# Altium PCB board_layout.pcbdoc (part 1 of 3) (continued)
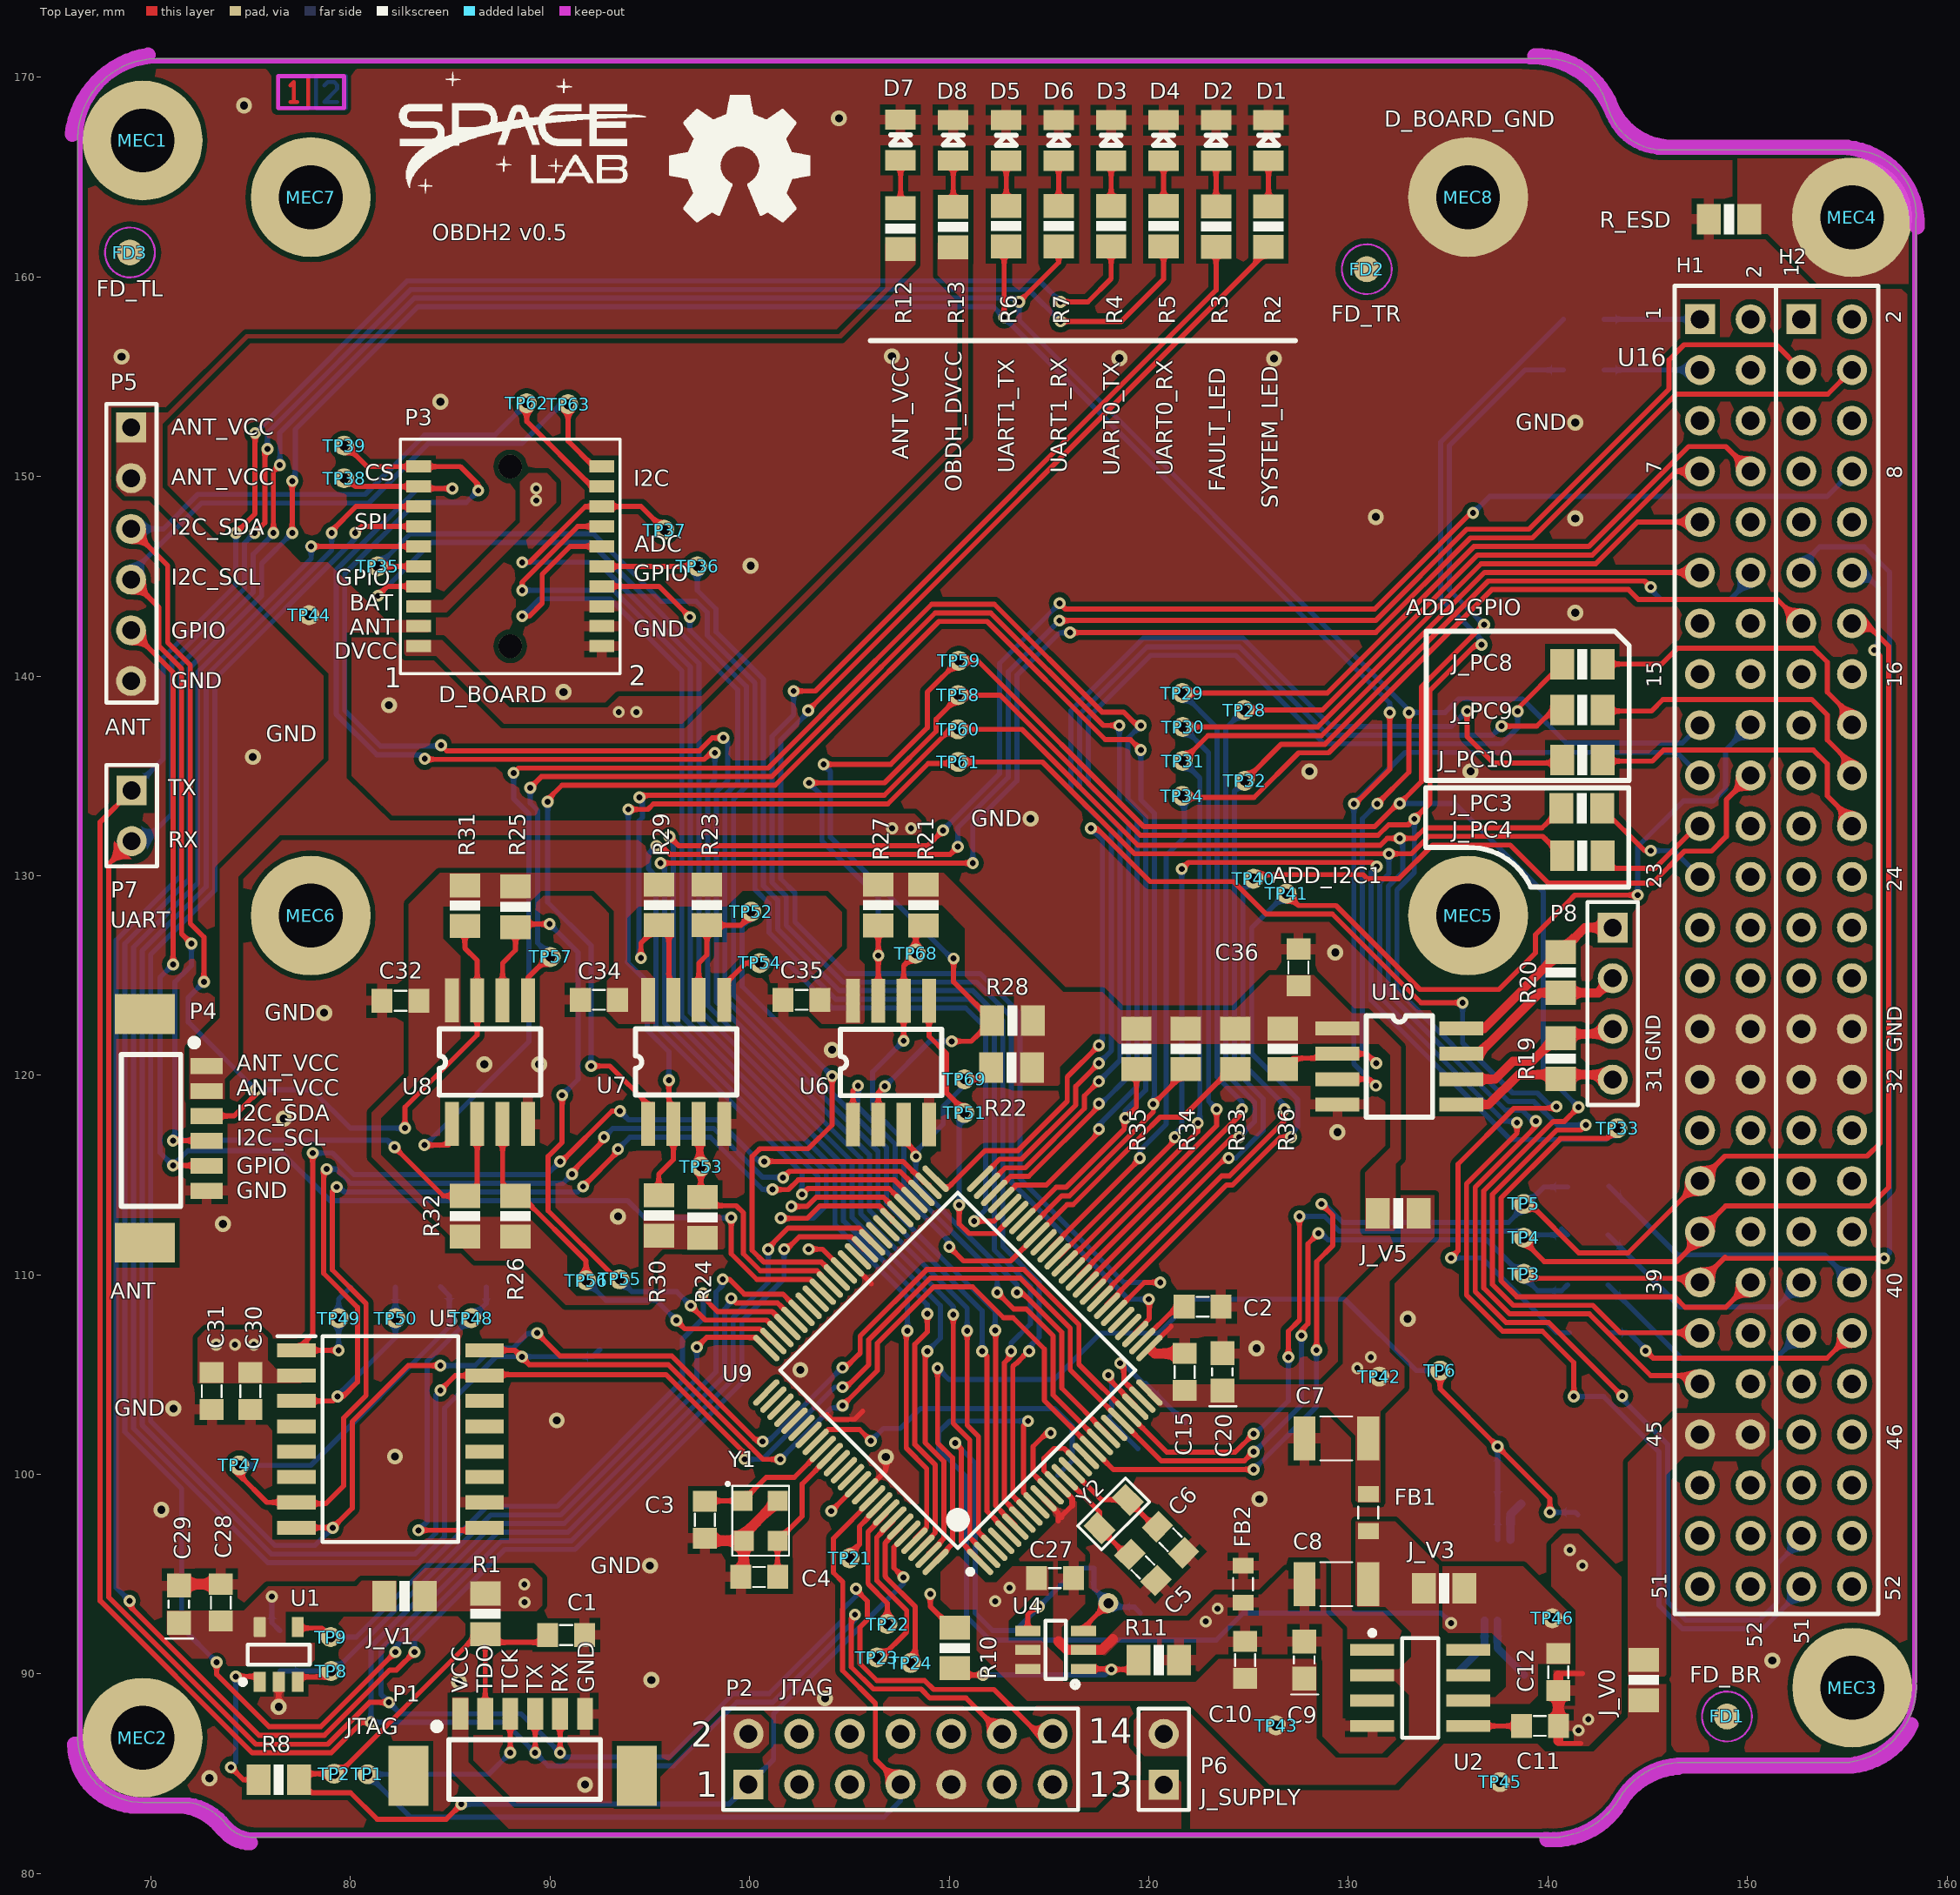
[diagram p0: Top Layer view]
## Components (designator, comment, footprint, x,y, rotation, side; value= is the part's Value field where it differs from the comment) (continued)
J_PC10 "0R" 0805 141.725,135.8 r180 top
J_PC11 "0R" 0805 142.1,107.1 r180 bottom
J_V0 "0R" 0805 144.8,89.7 r270 top
J_V1 "0R" 0805 82.7,93.9 r0 top
J_V2 "0R" 0805 135,101.2 r90 bottom
J_V3 "0R" 0805 134.8,94.3 r180 top
J_V4 "0R" 0805 93.5,111.416 r0 bottom
J_V5 "0R" 0805 132.499,113.075 r0 top
MEC1 "M3" "M3 hole" 69.579,166.838 r0 top
MEC2 "M3" "M3 hole" 69.579,86.813 r0 top
MEC3 "M3" "M3 hole" 155.254,89.313 r0 top
MEC4 "M3" "M3 hole" 155.245,162.992 r0 top
MEC5 "M3" "M3 hole" 136,128 r0 top
MEC6 "M3" "M3 hole" 78,128 r0 top
MEC7 "M3" "M3 hole" 78,164 r0 top
MEC8 "M3" "M3 hole" 136,164 r0 top
P1 "6H_PicoBlade" "HDR6 PicoBlade" 85.5,88 r0 top
P2 "Header 7x2" HDR2X7 99.94,84.46 r0 top
P3 "FSI-110-03-X-D-AD" FSI-110-03-X-D-AD 88,146 r90 top
P4 "6H_PicoBlade" "HDR6 PicoBlade" 72.788,120.46 r270 top
P5 "Header 6H" HDR1X6H 69,152.455 r270 top
P6 "Header 2H" "HDR 1X2" 120.75,85.728 r90 top
P7 "Header 2H" "HDR 1X2" 69.032,133 r270 top
P8 "Header 4H" HDR1X4 143.25,127.4 r270 top
R1 "47k" 0805 86.751,93.015 r90 top
R2 "330R" 0805 126,162.526 r90 top
R3 "330R" 0805 123.371,162.526 r90 top
R4 "330R" 0805 118.114,162.548 r90 top
R5 "330R" 0805 120.743,162.548 r90 top
R6 "330R" 0805 112.857,162.548 r90 top
R7 "330R" 0805 115.486,162.548 r90 top
R8 "10k" 0805 76.4,84.7 r0 top
R9 "12K" 0805 138.481,99.9 r180 bottom
R10 "47k" 0805 110.275,91.3 r90 top
R11 "47k" 0805 120.5,90.705 r180 top
R12 "DNP" 0805 107.56,162.423 r270 top
R13 "DNP" 0805 110.2,162.506 r270 top
R14 "10k" 0805 84.5,110.42 r90 bottom
R15 "10k" 0805 86.8,110.4 r90 bottom
R16 "10k" 0805 80,110.392 r90 bottom
R17 "10k" 0805 82.25,110.392 r90 bottom
R18 "100k" 0805 93.5,106.25 r0 bottom
R19 "120R" 0805 140.65,120.834 r90 top
R20 "120R" 0805 140.65,125.15 r270 top
R21 "10k" 0805 108.717,128.525 r90 top
R22 "10k" 0805 113.12,120.393 r0 top
R23 "10k" 0805 97.856,128.53 r90 top
R24 "10k" 0805 97.625,112.875 r270 top
R25 "10k" 0805 88.266,128.44 r90 top
R26 "10k" 0805 88.266,112.939 r270 top
R27 "10k" 0805 106.447,128.525 r90 top
R28 "10k" 0805 113.164,122.743 r0 top
R29 "10k" 0805 95.447,128.53 r90 top
R30 "10k" 0805 95.447,112.975 r270 top
R31 "10k" 0805 85.726,128.5 r90 top
R32 "10k" 0805 85.726,112.939 r270 top
R33 "10k" 0805 124.328,121.325 r90 top
R34 "10k" 0805 121.853,121.325 r90 top
R35 "10k" 0805 119.378,121.325 r90 top
R36 "10k" 0805 126.704,121.325 r90 top
R37 "12K" 0805 117.975,96.025 r225 bottom
R38 "10k" 0805 76.458,91.15 r270 bottom
R_ESD "1M" 0805 149.075,162.9 r0 top
RSense "0.05R/0.5W" "1206 - ohmite" 137.1,89.5 r0 bottom
TP1 "TEST_POINT_2" TEST_POINT_2 80.85,84.975 r180 top
TP2 "TEST_POINT_2" TEST_POINT_2 79.175,85 r180 top
TP3 "TEST_POINT_2" TEST_POINT_2 138.8,110.05 r180 top
TP4 "TEST_POINT_2" TEST_POINT_2 138.792,111.859 r180 top
TP5 "TEST_POINT_2" TEST_POINT_2 138.792,113.55 r180 top
TP6 "TEST_POINT_2" TEST_POINT_2 134.6,105.2 r180 top
TP7 "TEST_POINT_2" TEST_POINT_2 117.975,93.55 r0 bottom
TP8 "TEST_POINT_2" TEST_POINT_2 79.025,90.15 r90 top
TP9 "TEST_POINT_2" TEST_POINT_2 79,91.85 r90 top
TP21 "TEST_POINT_2" TEST_POINT_2 105.007,95.8 r180 top
TP22 "TEST_POINT_2" TEST_POINT_2 106.9,92.5 r180 top
TP23 "TEST_POINT_2" TEST_POINT_2 106.375,90.825 r180 top
TP24 "TEST_POINT_2" TEST_POINT_2 108.075,90.55 r180 top
TP28 "TEST_POINT_2" TEST_POINT_2 124.775,138.3 r180 top
TP29 "TEST_POINT_2" TEST_POINT_2 121.675,139.15 r180 top
TP30 "TEST_POINT_2" TEST_POINT_2 121.7,137.45 r180 top
TP31 "TEST_POINT_2" TEST_POINT_2 121.7,135.75 r180 top
TP32 "TEST_POINT_2" TEST_POINT_2 124.8,134.75 r180 top
TP33 "TEST_POINT_2" TEST_POINT_2 143.481,117.347 r90 top
TP34 "TEST_POINT_2" TEST_POINT_2 121.675,134 r90 top
TP35 "TEST_POINT_2" TEST_POINT_2 81.35,145.5 r90 top
TP36 "TEST_POINT_2" TEST_POINT_2 97.375,145.5 r90 top
TP37 "TEST_POINT_2" TEST_POINT_2 95.725,147.325 r90 top
TP38 "TEST_POINT_2" TEST_POINT_2 79.675,149.915 r90 top
TP39 "TEST_POINT_2" TEST_POINT_2 79.675,151.55 r90 top
TP40 "TEST_POINT_2" TEST_POINT_2 125.25,129.85 r90 top
TP41 "TEST_POINT_2" TEST_POINT_2 126.9,129.1 r90 top
TP42 "TEST_POINT_2" TEST_POINT_2 131.55,104.9 r90 top
TP43 "TEST_POINT_2" TEST_POINT_2 126.375,87.425 r90 top
TP44 "TEST_POINT_2" TEST_POINT_2 77.925,143.05 r90 top
TP45 "TEST_POINT_2" TEST_POINT_2 137.6,84.585 r90 top
TP46 "TEST_POINT_2" TEST_POINT_2 140.227,92.792 r90 top
TP47 "TEST_POINT_2" TEST_POINT_2 74.423,100.45 r90 top
TP48 "TEST_POINT_2" TEST_POINT_2 86.05,107.825 r90 top
TP49 "TEST_POINT_2" TEST_POINT_2 79.4,107.825 r90 top
TP50 "TEST_POINT_2" TEST_POINT_2 82.25,107.825 r90 top
TP51 "TEST_POINT_2" TEST_POINT_2 110.761,118.106 r90 top
TP52 "TEST_POINT_2" TEST_POINT_2 100.075,128.2 r90 top
TP53 "TEST_POINT_2" TEST_POINT_2 97.55,115.425 r90 top
TP54 "TEST_POINT_2" TEST_POINT_2 100.5,125.617 r90 top
TP55 "TEST_POINT_2" TEST_POINT_2 93.475,109.775 r90 top
TP56 "TEST_POINT_2" TEST_POINT_2 91.8,109.723 r90 top
TP57 "TEST_POINT_2" TEST_POINT_2 90.025,125.925 r90 top
TP58 "TEST_POINT_2" TEST_POINT_2 110.45,139.05 r90 top
TP59 "TEST_POINT_2" TEST_POINT_2 110.475,140.77 r90 top
TP60 "TEST_POINT_2" TEST_POINT_2 110.435,137.335 r90 top
TP61 "TEST_POINT_2" TEST_POINT_2 110.45,135.7 r90 top
TP62 "TEST_POINT_2" TEST_POINT_2 88.825,153.675 r90 top
TP63 "TEST_POINT_2" TEST_POINT_2 90.9,153.625 r90 top
TP68 "TEST_POINT_2" TEST_POINT_2 108.325,126.1 r90 top
TP69 "TEST_POINT_2" TEST_POINT_2 110.761,119.8 r90 top
U1 "TPS3823-33QDBVRQ1" DBV0005A_N 76.4,90.975 r90 top
U2 "REF5030A-Q1" SOIC-8 133.6,89.3 r0 top
U3 "MAX9934TAUA+" MSOP-8 137.8,94.7 r270 bottom
U4 "TLV341AIDBVR" "SOT-23 6L" 115.335,91.205 r90 top
U5 "MT25QL01GBBB8ESF-0SIT" SOIC127P1032X265-16N 82,101.773 r0 top
U6 "TCA4311ADR" SOIC8 105.177,117.53 r90 top
U7 "TCA4311ADR" SOIC8 94.907,117.56 r90 top
U8 "TCA4311ADR" SOIC8 85.076,117.555 r90 top
U9 "MSP430F6659IPZR_1" PZ0100A_N 110.432,105.215 r135 top value=Value
U10 "THVD1451DR" SOIC8 129.454,122.345 r0 top
U16 "PC104_INTERNAL" PC104 155.32,94.38 r90 top locked
V1 "47k" 0805 120.625,100.13 r315 bottom
V2 "47k" 0805 117.268,103.389 r315 bottom
V3 "47k" 0805 122.525,101.875 r315 bottom
V4 "47k" 0805 120.45,105.275 r225 bottom
Y1 "32MHz 10ppm" XTAL_ABM8X 100.55,97.675 r270 top
Y2 "32.768kHz 12.5pF" "ABS06 0805" 118.239,98.019 r45 top

## Footprints (in the part's own frame and the unit in brackets; to place one, negate y for a bottom-side part, rotate by r counter-clockwise, add the part's x,y. Pads: shape width x height; smd on the part's side, far side on the other; paste and mask are expansions set on the pad)
0805 [mil]
  rect 47.24x60 smd: 1(-40,0) 2(40,0)
  silkscreen extent -10,-30 10,30, body extent -50,-24 49,25, height 31
0805-LED [mil]
  rect 40x60 smd: 1(-40.35,0) 2(39.65,0)
  silkscreen extent -10,-20 10,20, body extent -40,-25 40,25, height 43
"1206 - ohmite" [mm]
  rect 1.5x0.57 smd: 1(-1.725,0.475) 2(1.725,0.5) 3(-1.725,-0.475) 4(1.725,-0.45)
  silkscreen extent -0.32,-0.76 0.32,0.76, body extent -2.01,-0.8 1.99,0.8, height 1.53
"ABS06 0805" [mm]
  rect 1x1.3 smd: 1(-1,0) 2(1,0)
  silkscreen extent -1.7,-0.85 1.7,0.85, body extent -1,-0.6 1,0.62, height 0.6
CC0805 [mm] "TDK mlccspec_commercial_general_midvoltage_en.pdf"
  rect 1.05x1.2 smd: 1(-0.925,0) 2(0.925,0)
  silkscreen extent -0.3,-0.5 0.3,0.5, body extent -1.25,-0.62 1.25,0.62, height 0.78
CC0805_Tantalum [mm] "TDK mlccspec_commercial_general_midvoltage_en.pdf"
  rect 1.2x1.2 smd: 1(-0.93,0) 2(0.93,0)
  silkscreen extent -1.73,-0.7 0.18,0.67, body extent -1.04,-0.59 1.21,0.76, height 1.35
CC1210 [mm] "TDK mlccspec_commercial_general_midvoltage_en.pdf"
  rect 1.1x2.2 smd: 1(-1.6,0) 2(1.6,0)
  silkscreen extent -0.8,-1.1 0.8,1.1, body extent -2,-1.24 2,1.24, height 1.69
DBV0005A_N [mm] "SOT23, 5-Leads, Body 3.05x1.75mm, Pitch 0.95mm, IPC Medium Density"
  rect 1x0.6 smd: 1(-1.375,0.95) 2(-1.375,0) 3(-1.375,-0.95) 4(1.375,-0.95)
  rrect17% 1x0.6 smd: 5(1.375,0.95)
  silkscreen extent -1.5,-1.55 0.5,1.92, body extent -1.42,-1.46 1.42,1.46, height 1.08
"Fiducial 1.3mm" [mm]
  round 1.3 smd mask+0.6: FD0(0,0)
  Top Layer keep-out circle w0.1: c0,0 r1.25
FSI-110-03-X-D-AD [mm]
  rect 0.61x1.26 smd: 1(-4.5,4.59) 2(-4.5,-4.59) 3(-3.5,4.59) 4(-3.5,-4.59) 5(-2.5,4.59) 6(-2.5,-4.59) 7(-1.5,4.59) 8(-1.5,-4.59) 9(-0.5,4.59) 10(-0.5,-4.59) 11(0.5,4.59) 12(0.5,-4.59) 13(1.5,4.59) 14(1.5,-4.59) 15(2.5,4.59) 16(2.5,-4.59) 17(3.5,4.59) 18(3.5,-4.59) 19(4.5,4.59) 20(4.5,-4.59)
  round 1.19 hole 1.19 unplated: None(-4.5,0) None(4.5,0)
  silkscreen extent -5.88,-5.5 5.88,5.5, body extent -5.38,-4.94 5.38,5.06, height 4.25
HDR1X4 [mm] "Connector; Header; 4 Position"
  rect 1.5x1.5 hole 0.9: 1(0,0)
  round 1.5 hole 0.9: 2(2.54,0) 3(5.08,0) 4(7.62,0)
  silkscreen extent -1.27,-1.27 8.89,1.27
HDR1X6H [mm] "Connector; Header; 6 Position; Right Angle"
  rect 1.5x1.5 hole 0.9: 1(0,0)
  round 1.5 hole 0.9: 2(2.54,0) 3(5.08,0) 4(7.62,0) 5(10.16,0) 6(12.7,0)
  silkscreen extent -1.18,-1.24 13.78,1.28
HDR2X7 [mm] "Connector; Header; 7x2 Position"
  rect 1.5x1.5 hole 0.9: 1(0,0)
  round 1.5 hole 0.9: 2(0,2.54) 3(2.54,0) 4(2.54,2.54) 5(5.08,0) 6(5.08,2.54) 7(7.62,0) 8(7.62,2.54) 9(10.16,0) 10(10.16,2.54) 11(12.7,0) 12(12.7,2.54) 13(15.24,0) 14(15.24,2.54)
  silkscreen extent -1.27,-1.27 16.51,3.81
"HDR6 PicoBlade" [mm]
  rect 2x3 smd: 0(-2.6,-3.1) 0(8.85,-3.1)
  rect 0.8x1.6 smd: 1(0,0) 2(1.25,0) 3(2.5,0) 4(3.75,0) 5(5,0) 6(6.25,0)
  silkscreen extent -1.26,-4.28 7.02,-0.54, body extent -3.12,-4.33 9.52,-0.13, height 4.7
"HDR 1X2" [mm]
  rect 1.5x1.5 hole 0.9: 1(-1.27,0)
  round 1.5 hole 0.9: 2(1.27,0)
  silkscreen extent -2.54,-1.27 2.54,1.27, body extent -2.54,-1.27 2.54,1.27, height 8.38
IND0805 [mm]
  rect 0.8x1.05 smd: 1(-0.925,0) 2(0.925,0)
  silkscreen extent -0.3,-0.5 0.3,0.5, body extent -1,-0.6 1,0.6, height 0.95
"M3 hole" [mm]
  round 6 hole 3.2: 0(0,0)
MSOP-8 [mm] "8-Lead Mini Small Outline Package [MSOP] (RM-8)"
  rect 1.5x0.45 smd: 1(-2.025,0.975) 2(-2.025,0.325) 3(-2.025,-0.325) 4(-2.025,-0.975) 5(2.025,-0.975) 6(2.025,-0.325) 7(2.025,0.325) 8(2.025,0.975)
  silkscreen extent -2.15,-1.6 0.87,1.87, body extent -2.46,-1.5 2.46,1.5, height 1.1
PC104 [mm] "Connector; Header; 26x4 Position"
  rect 1.5x1.5 hole 0.9: H1-1(63.5,7.7) H2-1(63.5,2.625)
  round 1.5 hole 0.9: H1-2(63.5,5.16) H1-3(60.96,7.7) H1-4(60.96,5.16) H1-5(58.42,7.7) H1-6(58.42,5.16) H1-7(55.88,7.7) H1-8(55.88,5.16) H1-9(53.34,7.7) H1-10(53.34,5.16) H1-11(50.8,7.7) H1-12(50.8,5.16) H1-13(48.26,7.7) H1-14(48.26,5.16) H1-15(45.72,7.7) H1-16(45.72,5.16) H1-17(43.155,7.7) H1-18(43.18,5.16) H1-19(40.64,7.7) H1-20(40.64,5.16) H1-21(38.1,7.7) H1-22(38.1,5.16) H1-23(35.56,7.7) H1-24(35.56,5.16) H1-25(33.02,7.7) H1-26(33.02,5.16) H1-27(30.48,7.7) H1-28(30.48,5.16) H1-29(27.94,7.7) H1-30(27.94,5.16) H1-31(25.4,7.7) H1-32(25.4,5.16) H1-33(22.86,7.7) H1-34(22.86,5.16) H1-35(20.32,7.7) H1-36(20.32,5.16) H1-37(17.78,7.7) H1-38(17.78,5.16) H1-39(15.24,7.7) H1-40(15.24,5.16) H1-41(12.7,7.7) H1-42(12.7,5.16) H1-43(10.16,7.7) H1-44(10.16,5.16) H1-45(7.62,7.7) H1-46(7.62,5.16) H1-47(5.08,7.7) H1-48(5.08,5.16) H1-49(2.54,7.7) H1-50(2.54,5.16) H1-51(0,7.7) H1-52(0,5.16) H2-2(63.5,0.08) H2-3(60.96,2.62) H2-4(60.96,0.08) H2-5(58.42,2.62) H2-6(58.42,0.08) H2-7(55.88,2.62) H2-8(55.88,0.08) H2-9(53.34,2.625) H2-10(53.34,0.08) H2-11(50.8,2.625) H2-12(50.8,0.08) H2-13(48.26,2.62) H2-14(48.26,0.08) H2-15(45.72,2.62) H2-16(45.72,0.08) H2-17(43.155,2.62) H2-18(43.18,0.08) H2-19(40.64,2.62) H2-20(40.64,0.08) H2-21(38.1,2.62) H2-22(38.1,0.08) H2-23(35.56,2.62) H2-24(35.56,0.08) H2-25(33.02,2.62) H2-26(33.02,0.08) H2-27(30.48,2.62) H2-28(30.48,0.08) H2-29(27.94,2.62) H2-30(27.94,0.08) H2-31(25.4,2.62) H2-32(25.4,0.08) H2-33(22.86,2.62) H2-34(22.86,0.08) H2-35(20.32,2.62) H2-36(20.32,0.08) H2-37(17.78,2.62) H2-38(17.78,0.08) H2-39(15.24,2.62) H2-40(15.24,0.08) H2-41(12.7,2.62) H2-42(12.7,0.08) H2-43(10.16,2.62) H2-44(10.16,0.08) H2-45(7.62,2.62) H2-46(7.62,0.08) H2-47(5.08,2.62) H2-48(5.08,0.08) H2-49(2.54,2.62) H2-50(2.54,0.08) H2-51(0,2.62) H2-52(0,0.08)
  silkscreen extent -1.38,-1.22 65.18,8.97, body extent -1.47,-1 65.1,8.85, height 8.51
PZ0100A_N [mm]
  oval 1.75x0.3 smd paste-0.102 mask+0.051: 1(-7.575,6) 2(-7.575,5.5) 3(-7.575,5) 4(-7.575,4.5) 5(-7.575,4) 6(-7.575,3.5) 7(-7.575,3) 8(-7.575,2.5) 9(-7.575,2) 10(-7.575,1.5) 11(-7.575,1) 12(-7.575,0.5) 13(-7.575,0) 14(-7.575,-0.5) 15(-7.575,-1) 16(-7.575,-1.5) 17(-7.575,-2) 18(-7.575,-2.5) 19(-7.575,-3) 20(-7.575,-3.5) 21(-7.575,-4) 22(-7.575,-4.5) 23(-7.575,-5) 24(-7.575,-5.5) 25(-7.575,-6) 51(7.575,-6) 52(7.575,-5.5) 53(7.575,-5) 54(7.575,-4.5) 55(7.575,-4) 56(7.575,-3.5) 57(7.575,-3) 58(7.575,-2.5) 59(7.575,-2) 60(7.575,-1.5) 61(7.575,-1) 62(7.575,-0.5) 63(7.575,0) 64(7.575,0.5) 65(7.575,1) 66(7.575,1.5) 67(7.575,2) 68(7.575,2.5) 69(7.575,3) 70(7.575,3.5) 71(7.575,4) 72(7.575,4.5) 73(7.575,5) 74(7.575,5.5) 75(7.575,6)
  oval 0.3x1.75 smd paste-0.102 mask+0.051: 26(-6,-7.575) 27(-5.5,-7.575) 28(-5,-7.575) 29(-4.5,-7.575) 30(-4,-7.575) 31(-3.5,-7.575) 32(-3,-7.575) 33(-2.5,-7.575) 34(-2,-7.575) 35(-1.5,-7.575) 36(-1,-7.575) 37(-0.5,-7.575) 38(0,-7.575) 39(0.5,-7.575) 40(1,-7.575) 41(1.5,-7.575) 42(2,-7.575) 43(2.5,-7.575) 44(3,-7.575) 45(3.5,-7.575) 46(4,-7.575) 47(4.5,-7.575) 48(5,-7.575) 49(5.5,-7.575) 50(6,-7.575) 76(6,7.575) 77(5.5,7.575) 78(5,7.575) 79(4.5,7.575) 80(4,7.575) 81(3.5,7.575) 82(3,7.575) 83(2.5,7.575) 84(2,7.575) 85(1.5,7.575) 86(1,7.575) 87(0.5,7.575) 88(0,7.575) 89(-0.5,7.575) 90(-1,7.575) 91(-1.5,7.575) 92(-2,7.575) 93(-2.5,7.575) 94(-3,7.575) 95(-3.5,7.575) 96(-4,7.575) 97(-4.5,7.575) 98(-5,7.575) 99(-5.5,7.575) 100(-6,7.575)
  silkscreen extent -7.7,-6.3 6.3,6.82, body extent -8.1,-8.1 8.05,8.05, height 1.62
SOIC8 [mm]
  rect 2.2x0.7 smd: 1(0,0) 2(0,-1.27) 3(0,-2.54) 4(0,-3.81) 5(6.205,-3.81) 6(6.205,-2.54) 7(6.205,-1.27) 8(6.205,0)
  silkscreen extent 1.45,-4.44 4.77,0.64, body extent 0.1,-4.4 6.1,0.6, height 1.7
SOIC127P1032X265-16N [mm]
  rect 1.925x0.7 smd: 1(-4.712,4.445) 2(-4.712,3.175) 3(-4.712,1.905) 4(-4.712,0.635) 5(-4.712,-0.635) 6(-4.712,-1.905) 7(-4.712,-3.175) 8(-4.712,-4.445) 9(4.712,-4.445) 10(4.712,-3.175) 11(4.712,-1.905) 12(4.712,-0.635) 13(4.712,0.635) 14(4.712,1.905) 15(4.712,3.175) 16(4.712,4.445)
  silkscreen extent -5.68,-5.15 3.4,5.15, body extent -5.23,-5.21 5.1,5.09, height 2.65
SOIC-8 [mm] "SOIC, 8-Leads, Body 4,89x3,90mm, Pitch 1,27mm, IPC Medium Density"
  rect 2.2x0.6 smd: 1(-2.4,1.905) 2(-2.4,0.635) 3(-2.4,-0.635) 4(-2.4,-1.905) 5(2.4,-1.905) 6(2.4,-0.635) 7(2.4,0.635) 8(2.4,1.905)
  silkscreen extent -2.52,-2.5 0.9,2.88, body extent -3,-2.45 3,2.45, height 1.75
"SOT-23 6L" [mm]
  rect 0.508x1.27 smd: 1(-0.95,-1.4) 2(0,-1.4) 3(0.95,-1.4) 4(0.95,1.4) 5(0,1.4) 6(-0.95,1.4)
  silkscreen extent -1.88,-1.13 1.46,0.51, body extent -1.5,-1.4 1.5,1.4, height 0.86
TEST_POINT_2 [mm]
  round 1 hole 0.5: 1(0,0)
XTAL_ABM8X [mm]
  rect 1x1 smd: 1(-1,-0.9) 2(1,-0.85) 3(1,0.85) 4(-1,0.85)
  silkscreen extent -1.93,-1.73 1.75,1.43, body extent -1.6,-1.22 1.6,1.28, height 0.6

## Part data
C1: library part Cap_Cer_X7R_1nF_16V_0603, "CAP CER 1nF 16V 0603 5%", Partnumber=C0603X102J4RECAUTO, NCM=8532.24.10
C2: library part Cap_Cer_X7R_0.47uF_50V_0805, "CAP CER 0.47UF 50V 10% X7R 0805", Partnumber=C0805C474K5RACTU, NCM=8532.24.10
C3 C4: library part Cap_Cer_X7R_10pF_100V_0805, "CAP CER 10pF 100V 0805", Partnumber=08051A100FAT2A, NCM=8532.24.10
C5 C6: library part Cap_Cer_X7R_12pF_50V_0805, "CAP CER 12pF 50V 0805", Partnumber=CL21C120FBANNNC, NCM=8532.24.10
C7 C8: library part Cap_Cer_X7R_0.01uF_16V_1210, "CAP CER 22uF 16V 10% X7R 1210", Partnumber=C3225X7R1C226K250AC, NCM=8532.24.10
C9 C18 C19 C20: library part Cap_Tant_SMD_10uF_6V3_0805, "CAP Tantalum 10uF 6.3V 10% 0805", Partnumber=TPSR106K006R1000, NCM=8532.21.11
C10 C12 C13 C14 C15 C16 C17 C21 C23 C25 C27 C28 C36 C37: library part Cap_Cer_X7R_0.1uF_25V_0805, "CAP CER 0.1UF 25V 10% X7R 0805", Partnumber=CC0805KRX7R8BB104, NCM=8532.24.10
C11 C32 C34 C35: library part Cap_Cer_X7R_0.01uF_50V_0805, "CAP CER 0.01uF 25V 10% X7R 0805", Partnumber=CL21B103KAANNNC, NCM=8532.24.10
C22 C24 C26 C29: library part Cap_Tant_SMD_10uF_10V_0805, "CAP Tantalum 10uF 10V 20% 0805", Partnumber=TPSP106M010R2000, NCM=8532.21.11
C30: library part Cap_Cer_X7R_100nF_50V_0603, "CAP CER 100nF 50V 0603 10%", Partnumber=C0603C104K5RAC3121, NCM=8532.24.10
C31: library part Cap_Cer_X7R_4.7uF_25V_0805, "CAP CER 4.7UF 25V 10% X7R 0805", Partnumber=C0805C475K3RACAUTO, NCM=8532.24.10
D1 D2 D3 D4 D5 D6: library part LED/R_0603, "SMD Orange LED", Partnumber=LTST-C170KFKT, NCM=8541.40.21
D7 D8: library part LED/G_0805, "SMD Green LED", Partnumber=LTST-C171GKT, NCM=8541.40.21
FB1 FB2: library part FB_30R_3A_100MHz_0805, "Ferrite Bead 30 OHM 3A 100MHz", Partnumber=BLM21PG300SN1D, NCM=8504.50.00
FD1 FD2 FD3 FD4 FD5 FD6: "Fiducial 1.3mm"
J_PC1 J_PC2 J_PC3 J_PC4 J_PC5 J_PC6 J_PC7 J_PC8 J_PC9 J_PC10 J_PC11 J_V0 J_V1 J_V2 J_V3 J_V4 J_V5: library part R0R_JUMPER_1/16W_0805, "RES 0R OHM 1/16W JUMPER 0805", Partnumber=CRCW08050000Z0EA, NCM=8533.21.20
MEC1 MEC2 MEC3 MEC4 MEC5 MEC6 MEC7 MEC8: library part "M3 hole", "M3 hole"
P1 P4: library part "Header 6H_PicoBlade", "Header, 6-Pin, Right Angle", Partnumber=53398-0671, LatestRevisionDate=17-Jul-2002, LatestRevisionNote="Re-released for DXP Platform.", Publisher="Altium Limited"
P2: library part "Header 7X2", "Header, 7-Pin, Dual row", LatestRevisionDate=17-Jul-2002, LatestRevisionNote="Re-released for DXP Platform.", Publisher="Altium Limited"
P3: "Contact Connector", Partnumber=FSI-110-03-G-D-AD
P5: "Header, 6-Pin, Right Angle", LatestRevisionDate=17-Jul-2002, LatestRevisionNote="Re-released for DXP Platform.", Publisher="Altium Limited"
P6 P7: library part "Header 2", "Header, 2-Pin", Partnumber=826646-2, LatestRevisionDate=17-Jul-2002, LatestRevisionNote="Re-released for DXP Platform.", Publisher="Altium Limited"
P8: "Header, 4-Pin", LatestRevisionDate=17-Jul-2002, LatestRevisionNote="Re-released for DXP Platform.", Publisher="Altium Limited"
R1 R10 R11 V1 V2 V3 V4: library part R27_5%_1/10W_0805, "RES 47k OHM 1/10W 1% 0805", Partnumber=RC0805FR-0747KL, NCM=8533.21.20
R2 R3 R4 R5 R6 R7: library part R330R_1%_1/4W_0805, "RES 330R OHM 1/4W 1% 0805", Partnumber=RC0805FR-07330RL, NCM=8533.21.20
R8 R14 R15 R16 R17 R21 R22 R23 R24 R25 R26 R27 R28 R29 R30 R31 R32 R33 R34 R35 R36 R38: library part R10k_1%_1/8W_0805, "RES 10K OHM 1/8W 1%  0805", Partnumber=CRCW080510K0FKEA, NCM=8533.21.20
R9 R37: library part R1.65K_1%_1/10W_0805, "RES 1.65K OHM 1/10W 0.1% 0805", Partnumber=PCF0805R-1K65BT1, NCM=8533.21.20
R12 R13: library part R1.0k_1%_1/8W_0805, "RES 1.0K OHM 1/8W 1% 0805", Partnumber=RC0805FR-071KL, NCM=8533.21.20
R18: library part R100k_1%_1/8W_0805, "RES 100K OHM 1/8W 1% 0805", Partnumber=AC0805FR-13100KL, NCM=8533.21.20
R19 R20: library part R120R_1%_1/4W_0805, "RES 120R OHM 1/8W 1% 0805", Partnumber=CRGCQ0805F120R, NCM=8533.21.20
R_ESD: library part R1000k_1%_1/8W_0805, "RES 1000K OHM 1/8W 1% 0805", Partnumber=AC0805FR-13100KL, NCM=8533.21.20
RSense: library part R0.05R_0.5%_0.5W_1206, "Current Sense Resistors - SMD 0.05ohm .5% 4 Terminal", Partnumber=LVK12R050DER, NCM=8533.21.20
TP1 TP2 TP3 TP4 TP5 TP6 TP7 TP8 TP9 TP21 TP22 TP23 TP24 TP28 TP29 TP30 TP31 TP32 TP33 TP34 TP35 TP36 TP37 TP38 TP39 TP40 TP41 TP42 TP43 TP44 TP45 TP46 TP47 TP48 TP49 TP50 TP51 TP52 TP53 TP54 TP55 TP56 TP57 TP58 TP59 TP60 TP61 TP62 TP63 TP68 TP69: "Test point"
U1: library part CMP-0338-00011-2, "Processor Supervisory Circuit, 1 Supply Monitored, -40 to 85 degC, 5-Pin SOT-23 (DBV), Green (RoHS & no Sb/Br)", Manufacturer="Texas Instruments", Operating Temperature Range="-40 to 85 degC", Rating=Catalog, Threshold Voltage="2.93 V Typ.", # of Supplies Monitored=1, ComponentLink1Description="Manufacturer URL", ComponentLink1URL=www.ti.com, ComponentLink2Description=Datasheet, ComponentLink2URL=http://www.ti.com/lit/ds/symlink/tps3820-33.pdf, ComponentLink3Description="Package Specification", ComponentLink3URL=http://www.ti.com/lit/ml/mpds018j/mpds018j.pdf, DatasheetVersion=SLVS165J, Iq="15 uA Typ.", Mounting Technology="Surface Mount", Output Driver Type / Reset Output="Active-low, Push-pull", PackageDescription="5-Pin Plastic Small Outline, Body 1.6 x 2.9 mm, Pitch 0.95 mm", PackageReference=DBV0005A, PackageVersion=4073253-4/L, Packing="Tape and Reel", Partnumber=TPS3823-33QDBVRQ1, Reset Threshold Accuracy=2.4%, RoHS=TRUE, Time Delay="25 ms", VCC="1.1 V Min.", Watchdog Timer WDI="0.2 s"
U5: "IC FLASH 1GBIT 108MHZ 16SOIC", Manufacturer_Name=Micron, Mouser Part Number=340-278808-TRAY, Datasheet Link=https://www.micron.com/~/media/documents/products/data-sheet/nor-flash/serial-nor/mt25q/die-rev-b/mt25q_qlkt_l_01g_bbb_0.pdf, Geometry.Height=2.65mm, Mouser Price/Stock=https://www.mouser.com/Search/Refine.aspx?Keyword=340-278808-TRAY, Partnumber=MT25QL01GBBB8ESF-0SIT
U6 U7 U8: "IC SIGNAL BUFFER I2C 8SOIC", Partnumber=TCA4311ADR
U9: "Imported", Alternate PartNumber=MSP430F6659IPZ, Manufacturer="Texas Instruments", Partnumber=MSP430F6659IPZR, CompType=IC, MountType=SMT, PackageReference=PZ0100A, PIN_COUNT=100, RefDes=RefDes, RoHS=Y, Type=DEV
U10: "IC INTERFACE RS422_RS485 8SOIC", Partnumber=THVD1451DR
U16: library part PC104, "PC104", Partnumber=SSW-126-04-G-D
Y1: library part XTAL_32MHz_SMD_4-SMD, "32MHz ±10ppm Crystal 10pF 60 Ohm -40°C ~ 125°C", Partnumber=ABM8X-102-32.000MHZ-T, NCM=8541.60.10
Y2: library part Xtal_32.768kHz_12pF_2_SMD, "32.768kHz ±20ppm Crystal 12.5pF 70 kOhm -40°C ~ 125°C", Partnumber=ECS-.327-12.5-34S-TR, NCM=8541.60.10
U2: Partnumber=REF5030A-Q1
U3: Partnumber=MAX9934TAUA+
U4: Partnumber=TLV341AIDBVR

## Via types
v1: diameter 0.6, hole 0.3, Top Layer to Bottom Layer, tented both sides, 235 vias
v2: diameter 0.8, hole 0.4, Top Layer to Bottom Layer, tented both sides, 25 vias
v3: diameter 0.8, hole 0.4, Top Layer to Bottom Layer, tented bottom, 9 vias
v4: diameter 0.8, hole 0.4, Top Layer to Bottom Layer, tented top, 8 vias
v5: diameter 0.8, hole 0.4, Top Layer to Bottom Layer, 2 vias

## Nets (pads, with @x,y where several pads share a name; then routed paths per layer and width w, separated by ;. In a path a pad name is that pad's centre, name@x,y a point inside that pad or via, vN(x,y) a via of type N, cw(c..) or ccw(c..) an arc to the next point about the centre after c; other vN are vias at no path point)
3V3_Buffers: C32.1 C34.1 C35.1 C36.1 J_V5.1 R21.2 R22.2 R23.2 R24.2 R25.2 R26.2 R27.2 R28.2 R29.2 R30.2 R31.2 R32.2 R33.2 R34.2 R35.2 R36.2 U6.8 U7.8 U8.8 U10.1
3V3_CURRENT_SENSING: C25.1 C26.1 J_V2.1 U3.1
3V3_MEMORY: C30.1 C31.1 J_V4.1 R14.2 R15.2 R16.2 R17.2 U5.2
  other v1: 73.264,106.5 74.209,106.5 75.153,106.5
3V3_Watchdog_Circuit: C28.1 C29.1 J_V1.1 R38.1 U1.5 | length 1.9
  Bottom Layer w0.254: v1(76.05,93.875) 76.05,92.574 R38.1@76.458,92.166
\M\R\_WDOG: R38.2 TP8.1 U1.3 U9.75 | length 34.4
  Top Layer w0.254: U1.3@77.35,89.6 77.6,89.85 78.725,89.85 TP8.1@79.025,90.15 ; v1(97.35,106.375) 97.84,106.865 100.297,106.865 U9.75@100.833,106.329
  Bottom Layer w0.254: R38.2@76.458,90.134 76.474,90.15 TP8.1@79.025,90.15 79.199,90.15 87.017,97.968 90.529,97.968 97.35,104.789 v1(97.35,106.375)
ADD_GPIO0: J_PC8.1 U16.H2-18 | length 15.5
  Top Layer w0.254: J_PC8.1@142.741,140.6 145.7,140.6 146.5,141.4 153.3,141.4 154,140.7 154,139.2 155.24,137.96 U16.H2-18@155.24,137.56
ADD_GPIO1: J_PC9.1 U16.H2-20 | length 15.4
  Top Layer w0.254: J_PC9.1@142.741,138.25 145.193,138.25 145.768,138.825 153.225,138.825 154,138.05 154,136.8 155.24,135.56 U16.H2-20@155.24,135.02
ADD_GPIO2: J_PC10.1 U16.H2-22 | length 15.4
  Top Layer w0.254: J_PC10.1@142.741,135.738 145.238,135.738 145.8,136.3 153.3,136.3 154,135.6 154,134 155.24,132.76 U16.H2-22@155.24,132.48
ADD_GPIO3: J_PC11.1 U16.H2-42 | length 13.2
  Top Layer w0.254: v1(144.9,106.2) 145.275,105.825 153.985,105.825 U16.H2-42@155.24,107.08
  Bottom Layer w0.254: J_PC11.1@143.116,107.1 144.079,107.1 144.9,106.279 v1(144.9,106.2)
ADD_I2C0_SCL: J_PC2.1 U16.H1-3 | length 4.8
  Bottom Layer w0.254: J_PC2.1@142.816,155.34 U16.H1-3@147.62,155.34
ADD_I2C0_SDA: J_PC1.1 U16.H1-1 | length 4.8
  Bottom Layer w0.254: J_PC1.1@142.816,157.88 U16.H1-1@147.62,157.88
ADD_I2C1_SCL: J_PC4.1 U16.H1-21 | length 6
  Top Layer w0.254: J_PC4.1@142.741,131 143.366,130.375 145.374,130.375 147.479,132.48 U16.H1-21@147.62,132.48
ADD_I2C1_SDA: J_PC3.1 U16.H1-23 | length 6.3
  Top Layer w0.254: J_PC3.1@142.716,133.38 144.846,131.25 v1(145.15,131.25)
  Bottom Layer w0.254: v1(145.15,131.25) 146.31,131.25 U16.H1-23@147.62,129.94
ADD_SPI_CLK: J_PC7.1 U16.H2-40 | length 14.2
  Bottom Layer w0.254: J_PC7.1@143.058,114.442 146.5,111 153.86,111 U16.H2-40@155.24,109.62
ADD_SPI_MISO: J_PC6.1 U16.H2-39 | length 11.7
  Bottom Layer w0.254: J_PC6.1@143.016,112 144.171,110.845 146.147,108.869 146.616,108.4 151.48,108.4 U16.H2-39@152.7,109.62
ADD_SPI_MOSI: J_PC5.1 U16.H2-41 | length 11.7
  Bottom Layer w0.254: J_PC5.1@143.016,109.5 146.716,105.8 151.42,105.8 U16.H2-41@152.7,107.08
AGND: C8.2 C9.2 C10.2 C11.2 C12.2 C13.2 C14.2 C21.2 C22.2 C25.2 C26.2 C27.2 C37.2 FB2.2 R9.1 R11.1 R37.1 U2.4 U3.3 U4.2 U9.10 U9.12 U9.15 U9.83 | length 35.4
  Top Layer w0.254: U9.83@103.308,101.627 103.931,102.25 104.144,102.25 104.15,102.243 105.15,102.243 105.156,102.25 105.5,102.25 v1(106.075,101.675) ; U9.10@114.728,98.798 115.46,98.066 115.46,97.674 ; U9.12@115.435,99.506 114.751,100.189 114.751,100.807 115.244,101.3 115.762,101.3 U9.15@116.495,100.566 ; 115.643,97.85 115.643,97.927 116.158,98.442 ; 140.525,86.65 140.65,86.525 141.65,86.525 ; 140.525,89.925 140.625,90.025 141.725,90.025
  Top Layer w0.305: U9.12@115.435,99.506 116.158,98.782 116.158,98.442
  Top Layer w0.508: 115.475,91.63 115.9,91.205 U4.2@116.735,91.205 117.647,91.205 118.2,91.758 ; 140.525,86.65 C11.2@140.525,87.4 C12.2@140.525,89.169 140.525,89.925
  Bottom Layer w0.254: v1(106.075,101.675) 106.7,102.3 107.55,102.3 108.55,103.3 115.275,103.3 116.158,102.417 116.158,100.677 C22.2@115.438,99.958
  Bottom Layer w0.432: U3.3@138.125,96.725 138.125,97.991 138.65,98.516
  other v1: 141.539,87.175 142.025,87.725 122.85,92.629 123.45,93.275 141.725,95.433 141.1,96.21
ANTENNA_GPIO: P4.5 P5.5 U9.67 | length 66.8
  Top Layer w0.254: P5.5@69,142.295 71.103,140.192 v1(71.103,125.556) ; v1(71.1,115.475) 72.773,115.475 P4.5@72.788,115.46 ; v1(99.075,112.861) 99.075,111.053 100.357,109.771 103.047,109.771 U9.67@103.661,109.158
  Bottom Layer w0.254: v1(71.103,125.556) 70.45,124.903 70.45,116.125 v1(71.1,115.475) 71.85,116.225 76.458,116.225 78.962,113.721 93.879,113.721 94.739,112.861 v1(99.075,112.861)
ANTENNA_VCC: C23.1 C24.1 P3.3 P4.1 P4.2 P5.1 P5.2 R12.2 TP44.1 U16.H2-35 U16.H2-36
  other v1: 107.136,132.375 108.086,132.375
BATTERY_VCC: P3.5 U16.H2-45 U16.H2-46
  other v1: 89.3,148.8 89.3,149.4
COMMON_VCC: C13.1 J_V0.2 P6.2 RSense.1 TP45.1
D_BOARD_ADC0: P3.12 U9.97 | length 65.3
  Top Layer w0.254: v1(88.6,143) 88.955,143 89.605,143.649 89.605,145.108 90.996,146.5 P3.12@92.59,146.5 ; v1@107.905,107.38 107.846,107.321 107.846,101.317 108.871,100.292 108.871,97.355 108.258,96.741 U9.97@108.258,96.677
  Bottom Layer w0.254: v1(88.6,143) 89.468,143.868 93,143.868 96.6,140.268 96.6,122.967 104.271,115.296 104.271,112.518 107.905,108.883 v1(107.905,107.2)
D_BOARD_ADC1: P3.14 U9.98 | length 65.6
  Top Layer w0.254: v1(88.6,144.3) 88.6,144.714 91.386,147.5 P3.14@92.59,147.5 ; U9.98@108.611,96.324 108.611,96.387 109.303,97.08 109.303,100.47 108.278,101.496 108.278,106.524 108.9,107.146 v1(108.9,108.05)
  Bottom Layer w0.254: v1(88.6,144.3) 93.179,144.3 97.031,140.447 97.031,123.146 104.703,115.474 104.703,112.696 108.9,108.499 v1(108.9,108.05)
D_BOARD_ADC2: P3.16 TP37.1 U9.99 | length 70.4
  Top Layer w0.254: v1(88.6,145.7) 88.975,145.7 91.775,148.5 P3.16@92.59,148.5 94.55,148.5 TP37.1@95.725,147.325 ; v1(108.9,106.175) 108.795,106.07 108.795,101.589 109.735,100.649 109.735,96.804 108.965,96.034 U9.99@108.965,95.97
  Bottom Layer w0.254: v1(88.6,145.7) 92.389,145.7 97.463,140.626 97.463,123.325 105.135,115.653 105.135,112.875 109.555,108.455 109.555,106.83 v1(108.9,106.175)
D_BOARD_GPIO0: P3.7 U9.5 | length 72.8
  Top Layer w0.254: v1(81.375,144.025) 81.85,144.5 P3.7@83.41,144.5 ; v1(111.648,106.175) 111.894,105.929 111.894,98.16 112.96,97.095 U9.5@112.96,97.031
  Bottom Layer w0.254: v1(81.375,144.025) 84.05,146.7 92,146.7 99.398,139.302 99.398,134.658 98.759,134.019 98.759,123.861 106.43,116.19 106.43,113.412 111.648,108.194 v1(111.648,106.175)
D_BOARD_GPIO1: P3.8 U9.6 | length 57.9
  Top Layer w0.254: P3.8@92.59,144.5 95.456,144.5 v1(97,142.956) ; v1(112.3,107.218) 112.326,107.192 112.326,98.436 113.313,97.448 U9.6@113.313,97.384
  Bottom Layer w0.254: v1(97,142.956) 97,142.311 99.829,139.481 99.829,134.479 99.19,133.84 99.19,124.04 106.862,116.369 106.862,113.591 112.3,108.153 v1(112.3,107.218)
D_BOARD_GPIO2: P3.9 TP35.1 U9.7 | length 77.9
  Top Layer w0.254: TP35.1@81.35,145.5 P3.9@83.41,145.5 ; v1(113.1,106.175) 113.1,105.937 112.758,105.594 112.758,98.711 113.667,97.802 U9.7@113.667,97.738
  Bottom Layer w0.254: TP35.1@81.35,145.5 82.982,147.132 92.179,147.132 95.561,143.75 97.306,143.75 97.875,143.181 97.875,142.046 100.261,139.66 100.261,129.307 100.968,128.6 100.968,127.154 104.318,123.805 111.006,123.805 112.255,122.556 112.255,111.255 114.075,109.435 114.075,107.549 113.1,106.574 v1(113.1,106.175)
D_BOARD_GPIO3: P3.10 TP36.1 U9.8 | length 63.9
  Top Layer w0.254: P3.10@92.59,145.5 TP36.1@97.1,145.5 ; v1(114.002,106.175) 114.002,106.227 113.722,105.948 113.722,105.917 113.358,105.553 113.327,105.553 113.189,105.415 113.189,98.922 U9.8@114.02,98.091
  Bottom Layer w0.254: TP36.1@97.375,145.5 97.375,144.292 98.307,143.36 98.307,142.225 100.693,139.839 100.693,129.486 101.4,128.779 101.4,127.333 104.496,124.236 111.185,124.236 112.686,122.735 112.686,111.434 114.507,109.614 114.507,106.882 114.002,106.377 v1(114.002,106.175)